# Altium PCB Bran_Main_Assay_PCB_v2.PcbDoc (part 4 of 15) (continued)
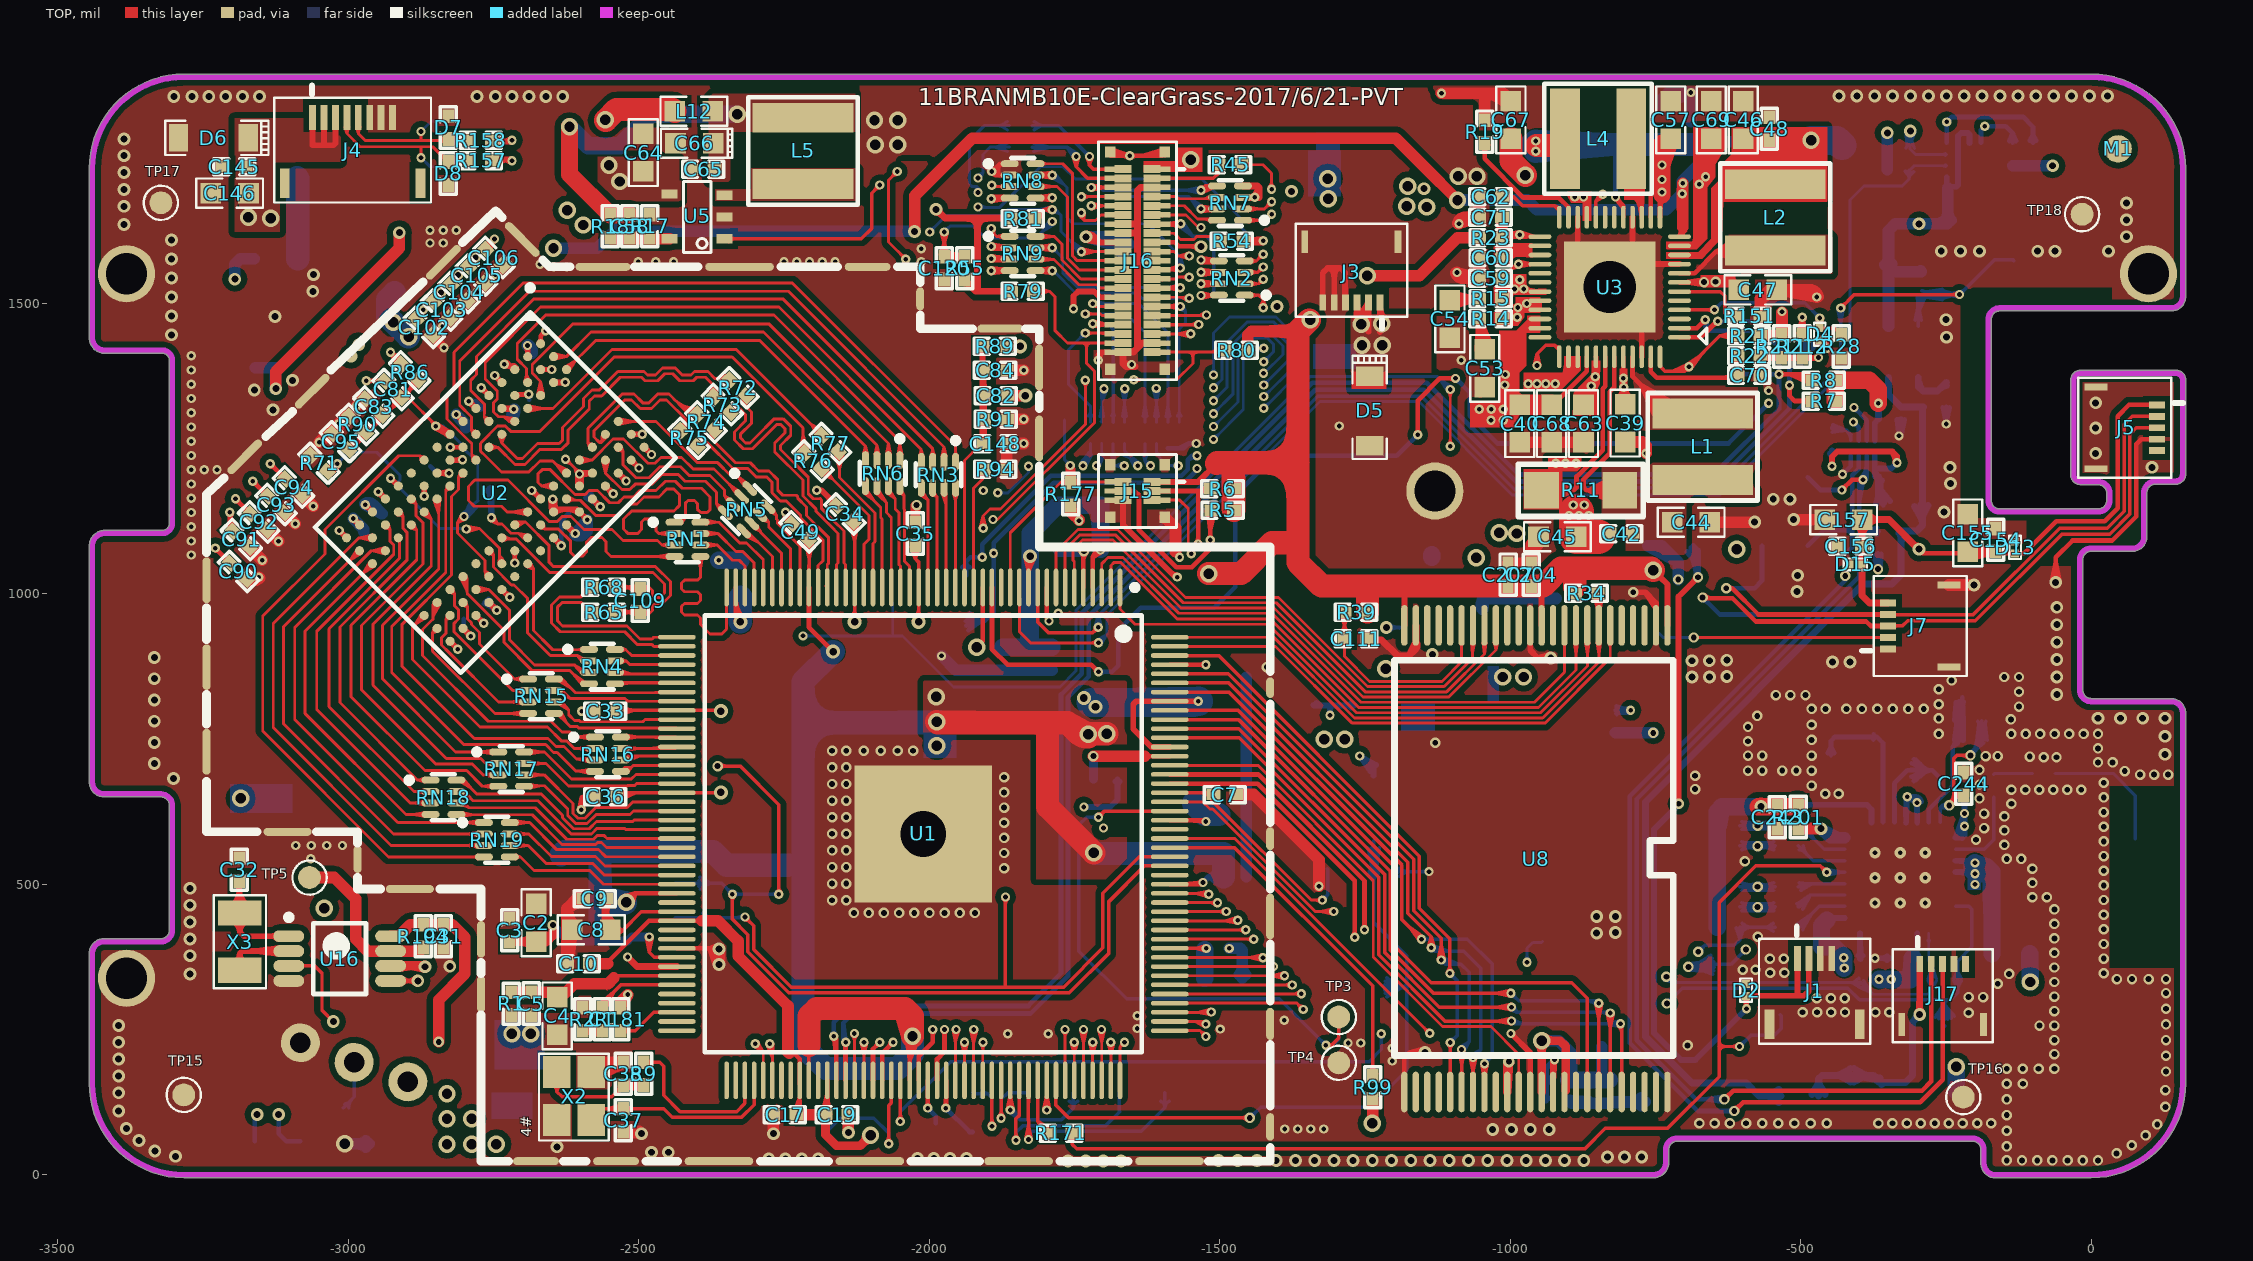
[diagram p0: TOP view]
## Nets (pads, with @x,y where several pads share a name; then routed paths per layer and width w, separated by ;. In a path a pad name is that pad's centre, name@x,y a point inside that pad or via, vN(x,y) a via of type N, cw(c..) or ccw(c..) an arc to the next point about the centre after c; other vN are vias at no path point) (continued)
; C103.1@-2854.74,1504.23 v2@-2837.3,1515.02 ; C103.1@-2854.74,1504.23 v2(-2840.43,1518.92) ; C103.1@-2854.74,1504.23 v2@-2844.41,1521.95 ; C103.1@-2854.74,1504.23 v2@-2837.3,1515.02 ; C103.1@-2854.74,1504.23 v2(-2840.43,1518.92) ; C103.1@-2854.74,1504.23 v2@-2844.41,1521.95 ; C103.1@-2854.74,1504.23 v2@-2837.3,1515.02 ; C103.1@-2854.74,1504.23 v2(-2840.43,1518.92) ; C103.1@-2854.74,1504.23 v2@-2844.41,1521.95 ; C103.1@-2854.74,1504.23 v2@-2837.3,1515.02 ; C103.1@-2854.74,1504.23 v2(-2840.43,1518.92) ; C103.1@-2854.74,1504.23 v2@-2847.08,1515.17 ; C103.1@-2854.74,1504.23 v2@-2845.86,1515.83 ; C103.1@-2854.74,1504.23 -2848.31,1511.75 ; C103.1@-2854.74,1504.23 -2846.78,1511.91 ; C103.1@-2853.35,1502.84 v2(-2840.43,1518.92) ; C103.1@-2853.35,1502.84 -2844.68,1521.56 C103.1@-2853.35,1502.84 ; C103.1@-2853.35,1502.84 -2836.94,1515.34 C103.1@-2853.35,1502.84 ; C103.1@-2853.35,1502.84 v2(-2840.43,1518.92) ; C103.1@-2853.35,1502.84 v2@-2843.74,1512.46 ; C103.1@-2853.35,1502.84 v2@-2843.59,1513.53 ; C103.1@-2851.4,1510.49 v2(-2840.43,1518.92) ; C103.1@-2850.02,1500.79 v2(-2840.43,1518.92) ; C103.1@-2850.02,1500.79 v2@-2836.33,1516.06 ; C103.1@-2850.02,1500.79 v2(-2840.43,1518.92) ; C103.1@-2849.72,1501.25 v2(-2840.43,1518.92) ; C103.1@-2849.72,1501.25 v2@-2845.11,1520.68 ; C103.1@-2849.72,1501.25 v2@-2836.33,1516.06 ; C103.1@-2849.72,1501.25 -2846.78,1511.91 ; C103.1@-2849.48,1501.68 v2(-2840.43,1518.92) ; C103.1@-2849.48,1501.68 v2@-2845.12,1520.66 ; C103.1@-2849.48,1501.68 v2@-2836.34,1516.05 ; C103.1@-2849.48,1501.68 v2@-2845.86,1515.83 ; C103.1@-2849.38,1501.92 v2(-2840.43,1518.92) ; C103.1@-2849.38,1501.92 v2@-2845.12,1520.65 ; C103.1@-2849.38,1501.92 -2836.34,1516.04 C103.1@-2849.34,1502.01 ; C103.1@-2849.38,1501.92 -2848.31,1511.75 ; C103.1@-2849.34,1502.01 v2(-2840.43,1518.92) ; C103.1@-2849.34,1502.01 v2@-2845.12,1520.65 ; C103.1@-2849.34,1502.01 v2@-2847.08,1515.17 ; C103.1@-2848.42,1499.7 v2(-2840.43,1518.92) ; C103.1@-2848.42,1499.7 -2845.24,1520.27 C103.1@-2848.33,1499.85 ; C103.1@-2848.42,1499.7 -2836.08,1516.46 C103.1@-2848.33,1499.85 ; C103.1@-2848.42,1499.7 v2@-2843.74,1512.46 ; C103.1@-2848.33,1499.85 v2(-2840.43,1518.92) ; C103.1@-2848.33,1499.85 v2@-2843.59,1513.53 ; C103.1@-2848.35,1508.19 v2(-2840.43,1518.92) ; U2.K2@-2847.28,1207.96 v1(-2826.9,1207.96) ; U2.K2@-2847.28,1207.96 v1(-2826.9,1207.96) ; U2.K2@-2847.28,1207.96 v1(-2826.9,1207.96) ; U2.K2@-2847.28,1207.96 v1(-2826.9,1207.96) ; U2.K2@-2847.28,1207.96 v1(-2826.9,1207.96) ; U2.K2@-2847.28,1207.96 v1(-2826.9,1207.96) ; U2.K2@-2847.28,1207.96 v1(-2826.9,1207.96) ; U2.K2@-2847.28,1207.96 -2836.14,1207.95 ; U2.K2@-2847.28,1207.96 -2829.73,1205.13 ccw(c-2836.56,1198.3) -2836.56,1207.96 ccw(c-2836.56,1217.62) -2829.73,1210.79 U2.K2@-2847.28,1207.96 ; U2.K2@-2847.28,1207.96 -2836.14,1207.95 ; U2.K2@-2847.28,1207.96 -2836.14,1207.97 ; U2.K2@-2847.28,1207.96 -2836.14,1207.97 ; U2.K2@-2847.28,1207.96 v1(-2826.9,1207.96) ; -2836.14,1207.95 v1(-2826.9,1207.96) ; -2836.14,1207.95 v1(-2826.9,1207.96) ; -2836.14,1207.97 v1(-2826.9,1207.96) ; -2836.14,1207.97 v1(-2826.9,1207.96) ; U2.R9@-2802.74,940.71 v1(-2789.49,927.46) ; U2.R9@-2802.74,940.71 v1(-2789.49,927.46) ; U2.R9@-2802.74,940.71 v1(-2789.49,927.46) ; U2.R9@-2802.74,940.71 v1(-2789.49,927.46) ; U2.R9@-2802.74,940.71 v1(-2789.49,927.46) ; U2.R9@-2802.74,940.71 v1(-2789.49,927.46) ; C105.1@-2796.97,1567.43 v2(-2781.43,1578.92) ; C105.1@-2796.97,1567.43 -2784.9,1582.52 C105.1@-2796.65,1567.66 ; C105.1@-2796.97,1567.43 -2779,1574.55 C105.1@-2796.65,1567.66 ; C105.1@-2796.97,1567.43 v2@-2784.55,1573.51 ; C105.1@-2796.65,1567.66 v2(-2781.43,1578.92) ; C105.1@-2796.65,1567.66 v2@-2784.24,1572.63 ; C105.1@-2795.02,1565.33 v2(-2781.43,1578.92) ; C105.1@-2795.02,1565.33 v2(-2781.43,1578.92) ; C105.1@-2794.74,1564.23 v2(-2781.43,1578.92) ; C105.1@-2794.74,1564.23 v2@-2785.53,1581.79 ; C105.1@-2794.74,1564.23 v2@-2778.18,1575.12 ; C105.1@-2794.74,1564.23 v2(-2781.43,1578.92) ; C105.1@-2794.74,1564.23 v2@-2785.53,1581.79 ; C105.1@-2794.74,1564.23 v2@-2778.18,1575.12 ; C105.1@-2794.74,1564.23 v2(-2781.43,1578.92) ; C105.1@-2794.74,1564.23 v2@-2785.53,1581.79 ; C105.1@-2794.74,1564.23 v2@-2778.18,1575.12 ; C105.1@-2794.74,1564.23 v2(-2781.43,1578.92) ; C105.1@-2794.74,1564.23 v2@-2785.53,1581.79 ; C105.1@-2794.74,1564.23 v2@-2778.18,1575.12 ; C105.1@-2794.74,1564.23 v2@-2788.05,1574.78 ; C105.1@-2794.74,1564.23 v2@-2786.84,1575.8 ; C105.1@-2794.74,1564.23 v2@-2786.56,1572.95 ; C105.1@-2794.74,1564.23 v2(-2781.43,1578.92) ; C105.1@-2793.35,1562.84 v2(-2781.43,1578.92) ; C105.1@-2793.35,1562.84 -2785.79,1581.37 C105.1@-2793.35,1562.84 ; C105.1@-2793.35,1562.84 -2777.81,1575.47 C105.1@-2793.35,1562.84 ; C105.1@-2793.35,1562.84 v2(-2781.43,1578.92) ; C105.1@-2793.35,1562.84 v2@-2784.24,1572.63 ; C105.1@-2793.35,1562.84 v2@-2784.55,1573.51 ; v1(-2793.03,1331.87) U2.F1@-2780.46,1319.31 ; v1(-2793.03,1331.87) U2.F1@-2780.46,1319.31 ; v1(-2793.03,1331.87) U2.F1@-2780.46,1319.31 ; v1(-2793.03,1331.87) U2.F1@-2780.46,1319.31 ; C105.1@-2791.95,1570.44 v2(-2781.43,1578.92) ; C105.1@-2789.88,1560.99 v2(-2781.43,1578.92) ; C105.1@-2789.88,1560.99 -2786.18,1580.47 C105.1@-2789.63,1561.4 ; C105.1@-2789.88,1560.99 -2777.21,1576.24 C105.1@-2789.63,1561.4 ; C105.1@-2789.88,1560.99 v2(-2781.43,1578.92) ; C105.1@-2789.63,1561.4 v2(-2781.43,1578.92) ; C105.1@-2789.63,1561.4 v2@-2786.56,1572.95 ; C105.1@-2789.33,1562.02 v2(-2781.43,1578.92) ; C105.1@-2789.33,1562.02 -2786.2,1580.41 C105.1@-2789.21,1562.35 ; C105.1@-2789.33,1562.02 -2777.22,1576.22 C105.1@-2789.21,1562.35 ; C105.1@-2789.33,1562.02 v2@-2786.84,1575.8 ; C105.1@-2789.21,1562.35 v2(-2781.43,1578.92) ; C105.1@-2789.21,1562.35 v2@-2788.05,1574.78 ; C105.1@-2788.3,1559.89 v2(-2781.43,1578.92) ; C105.1@-2788.3,1559.89 -2786.3,1580.03 C105.1@-2788.16,1560.16 ; C105.1@-2788.3,1559.89 -2776.97,1576.65 C105.1@-2788.16,1560.16 ; C105.1@-2788.3,1559.89 v2@-2784.24,1572.63 ; C105.1@-2788.3,1568.74 v2(-2781.43,1578.92) ; C105.1@-2788.16,1560.16 v2(-2781.43,1578.92) ; C105.1@-2788.16,1560.16 v2@-2784.55,1573.51 ; C106.1@-2764.74,1594.23 v1(-2748.43,1610.92) ; C106.1@-2764.74,1594.23 v1@-2754.17,1607.49 ; C106.1@-2764.74,1594.23 -2758.32,1601.75 ; C106.1@-2764.74,1594.23 -2756.78,1601.92 ; C106.1@-2763.35,1592.84 v1(-2748.43,1610.92) ; C106.1@-2763.35,1592.84 v1(-2748.43,1610.92) ; C106.1@-2763.35,1592.84 v1(-2748.43,1610.92) ; C106.1@-2763.35,1592.84 v1@-2751.52,1605.38 ; U2.N9@-2758.2,985.25 v1(-2744.75,971.8) ; U2.N9@-2758.2,985.25 v1(-2744.75,971.8) ; U2.N9@-2758.2,985.25 v1(-2744.75,971.8) ; U2.N9@-2758.2,985.25 v1(-2744.75,971.8) ; v1@-2754.17,1607.49 -2759.61,1591.43 v1(-2748.43,1610.92) ; v1@-2754.17,1607.49 -2768.61,1598.61 v1(-2748.43,1610.92) ; v1@-2751.52,1605.38 -2758.48,1589.61 v1(-2748.43,1610.92) ; v1@-2751.52,1605.38 -2766.86,1597.51 v1(-2748.43,1610.92) ; v1(-2748.43,1610.92) -2765.01,1594.52 v1(-2748.43,1610.92) ; v1(-2748.43,1610.92) -2758.41,1589.71 v1(-2748.43,1610.92) ; v1(-2748.43,1610.92) -2767.36,1597.09 v1(-2748.43,1610.92) ; v1(-2731.92,1395.15) -2722.15,1391.03 U2.C1@-2713.65,1386.12 ; v1(-2731.92,1395.15) U2.C1@-2713.65,1386.12 ; v1(-2731.92,1395.15) -2721.45,1393.92 ; v1(-2731.92,1395.15) U2.C1@-2713.65,1386.12 ; v1(-2731.92,1395.15) U2.C1@-2713.65,1386.12 ; v1(-2731.92,1395.15) -2721.45,1393.92 ; v1(-2731.92,1395.15) U2.C1@-2713.65,1386.12 ; v1(-2731.92,1395.15) -2721.45,1393.92 ; v1(-2731.92,1395.15) U2.C1@-2713.65,1386.12 ; v1(-2731.92,1395.15) -2721.45,1393.92 ; v1(-2731.92,1395.15) v1@-2728.2,1393.92 ; v1(-2731.92,1395.15) -2729.43,1395.15 v1@-2728.2,1393.92 ; v1@-2728.2,1393.92 U2.C1@-2713.65,1386.12 ; v1@-2728.2,1393.92 -2721.45,1393.92 ; -2721.45,1393.92 U2.C1@-2713.65,1386.12 ; -2721.45,1393.92 U2.C1@-2713.65,1386.12 ; -2721.45,1393.92 U2.C1@-2713.65,1386.12 ; U2.D2@-2713.66,1341.58 v1(-2689.39,1343.58) ; U2.D2@-2713.66,1341.58 v1(-2689.39,1343.58) ; U2.D2@-2713.66,1341.58 U2.D2@-2711.66,1343.58 ; U2.D2@-2711.66,1343.58 v1(-2689.39,1343.58) ; U2.D2@-2711.66,1343.58 v1(-2689.39,1343.58) ; v1(-2684.43,1177.92) U2.G7@-2669.12,1163.41 ; v1(-2684.43,1177.92) U2.G7@-2669.12,1163.41 ; v1(-2684.43,1177.92) -2669.92,1163.41 U2.G7@-2669.12,1163.41 ; U2.B2@-2669.12,1386.12 v1(-2649.92,1386.3) ; U2.B2@-2669.12,1386.12 v1(-2649.92,1386.3) ; U2.B2@-2669.12,1386.12 v1(-2649.92,1386.3) ; U2.B2@-2669.12,1386.12 v1(-2649.92,1386.3) ; -2669.11,1444.24 v1(-2660.43,1452.92) -2669.11,1444.24 ; U2.H9@-2646.84,1096.61 v1(-2633.4,1083.16) ; U2.H9@-2646.84,1096.61 v1(-2633.4,1083.16) ; U2.H9@-2646.84,1096.61 v1(-2633.4,1083.16) ; U2.H9@-2646.84,1096.61 v1(-2633.4,1083.16) ; U2.H9@-2646.84,1096.61 v1(-2633.4,1083.16) ; U2.H9@-2646.84,1096.61 v1(-2633.4,1083.16) ; U2.E9@-2580.03,1163.42 v1(-2566.75,1150.14) ; U2.E9@-2580.03,1163.42 v1(-2566.75,1150.14) ; U2.E9@-2580.03,1163.42 v1(-2566.75,1150.14) ; U2.E9@-2580.03,1163.42 v1(-2566.75,1150.14) ; U2.E9@-2580.03,1163.42 v1(-2566.75,1150.14) ; U2.E9@-2580.03,1163.42 v1(-2566.75,1150.14) ; U2.D9@-2557.76,1185.69 v1(-2544.32,1172.24) ; U2.D9@-2557.76,1185.69 v1(-2544.32,1172.24) ; U2.D9@-2557.76,1185.69 v1(-2544.32,1172.24) ; U2.D9@-2557.76,1185.69 v1(-2544.32,1172.24) ; U2.D9@-2557.76,1185.69 v1(-2544.32,1172.24) ; U2.D9@-2557.76,1185.69 v1(-2544.32,1172.24) ; U2.C9@-2535.49,1207.96 v1(-2522.04,1194.51) ; U2.C9@-2535.49,1207.96 v1(-2522.04,1194.51) ; U2.C9@-2535.49,1207.96 v1(-2522.04,1194.51) ; U2.C9@-2535.49,1207.96 v1(-2522.04,1194.51) ; U2.A8@-2513.21,1274.77 v1(-2494.01,1274.77) ; U2.A8@-2513.21,1274.77 v1(-2494.01,1274.77) ; U2.A8@-2513.21,1274.77 v1(-2494.01,1274.77) ; U2.A8@-2513.21,1274.77 v1(-2494.01,1274.77) ; v5@-2333.26,959.66 -2333.26,982.59 -2327.09,967.02 ; v5@-2333.26,959.66 v5(-2325.43,951.83) ; -2327.09,967.02 v5(-2325.43,951.83) ; R89.2@-1865.84,1426.27 v5(-1843.59,1426.18) ; R89.2@-1865.84,1426.27 v5@-1845,1434.06 ; R89.2@-1865.84,1426.27 v5@-1845.06,1418.32 ; R89.2@-1865.84,1426.27 v5(-1843.59,1426.18) ; R89.2@-1865.84,1426.27 v5@-1845,1434.06 ; R89.2@-1865.84,1426.27 v5@-1845.06,1418.32 ; R89.2@-1865.84,1426.27 v5(-1843.59,1426.18) ; R89.2@-1865.84,1426.27 v5@-1845,1434.06 ; R89.2@-1865.84,1426.27 v5@-1845.06,1418.32 ; R89.2@-1865.84,1426.27 v5(-1843.59,1426.18) ; R89.2@-1865.84,1426.27 v5@-1845,1434.06 ; R89.2@-1865.84,1426.27 v5@-1845.06,1418.32 ; R89.2@-1865.84,1426.27 v5(-1843.59,1426.18) ; R89.2@-1865.84,1426.27 v5@-1845,1434.06 ; R89.2@-1865.84,1426.27 v5@-1845.06,1418.32 ; R89.2@-1865.84,1426.27 v5@-1837.08,1426.27 ; R89.2@-1865.84,1426.27 v5@-1853.32,1423.64 ; R89.2@-1865.84,1426.27 v5@-1853.19,1428.82 ; R89.2@-1865.84,1426.27 v5@-1855.39,1426.75 ; R89.2@-1865.84,1426.27 v5@-1855.39,1425.79 ; R89.2@-1865.45,1426.27 -1843.59,1426.27 v5@-1837.08,1426.27 ; R89.2@-1865.45,1426.27 v5(-1843.59,1426.18) ; R89.2@-1858.79,1424.38 v5(-1843.59,1426.18) ; R89.2@-1858.79,1428.16 v5(-1843.59,1426.18) ; R89.2@-1858.05,1425.6 v5(-1843.59,1426.18) ; R89.2@-1857.77,1426.92 v5(-1843.59,1426.18) ; v1(-2824.85,1252.33) U2.H2@-2802.74,1252.5 v1(-2824.85,1252.33) ; v1(-2713.65,1053.14) U2.K8@-2713.65,1074.33 v1(-2713.65,1053.14)
  TOP w10: C104.1@-2824.74,1539.08 ccw(c-2824.74,1549.42) -2817.42,1542.11 ; C104.1@-2823.51,1538.59 ccw(c-2832.09,1553.44) v2@-2815.34,1549.78 ; C104.1@-2822.06,1539.43 v2(-2811.43,1548.92) ; C104.1@-2819.9,1534.23 cw(c-2806.86,1534.23) v2@-2816.08,1543.45 ; C104.1@-2819.45,1537.61 v2(-2811.43,1548.92) ; C104.1@-2818.94,1538.5 cw(c-2806.75,1531.47) v2@-2810.39,1545.06 ; C104.1@-2818.88,1541.27 ccw(c-2822.43,1547.42) v2@-2815.39,1548.38 ; C104.1@-2818.84,1540.69 ccw(c-2827.06,1548.92) v2@-2815.43,1548.92 ; v2@-2817.24,1544.87 C104.1@-2824.74,1534.23 ; v2@-2816.28,1543.87 C104.1@-2824.74,1534.23 ; v2@-2815.82,1545.91 C104.1@-2824.74,1534.23 ; v2@-2813.79,1543.65 C104.1@-2823.35,1532.84 v2(-2811.43,1548.92) ; v2@-2812.04,1548.31 v2@-2812.04,1547.49 ; C104.1@-2824.74,1534.23 v2(-2811.43,1548.92) ; C104.1@-2824.74,1534.23 v2(-2811.43,1548.92) ; C104.1@-2824.74,1534.23 v2(-2811.43,1548.92) ; C104.1@-2824.74,1534.23 v2(-2811.43,1548.92) ; C104.1@-2824.74,1534.23 v2@-2812.04,1547.49 ; v2@-2812.04,1547.49 -2825.02,1534.51 v2(-2811.43,1548.92)
  TOP w20: C82.1@-1864,1341.38 v5(-1834.89,1341.38) C82.1@-1864,1341.38
  BOTTOM w8: C89.1@-2858.84,1219.51 -2847.29,1207.96 ; v1@-2829.73,1205.13 ccw(c-2836.56,1198.3) -2836.56,1207.96 ccw(c-2836.56,1217.62) v1@-2829.73,1210.79 ; C98.1@-2801.52,956.83 -2801.52,955.16 -2801.52,943.75 C98.1@-2803.65,941.62 ; v1@-2793.49,927.46 ccw(c-2803.15,927.46) -2796.32,934.29 ccw(c-2789.49,941.12) v1@-2789.49,931.46 ; v1@-2790.2,1329.04 cw(c-2783.37,1322.21) -2783.37,1331.87 cw(c-2783.37,1341.53) v1@-2790.2,1334.7 ; -2777.4,1328.15 cw(c-2788.33,1317.23) C99.1@-2772.88,1317.23 ; -2776.06,1326.81 ccw(c-2767.03,1335.83) C99.1@-2767.03,1323.07 ; C97.1@-2764.9,986.14 -2763.22,986.14 C97.1@-2761.65,986.14 ; C97.1@-2761.83,983.36 cw(c-2761.83,970.01) -2752.39,979.45 ; C97.1@-2761.65,986.14 C97.1@-2759.09,986.14 ; C97.1@-2758.38,982.9 v1(-2744.75,971.8) ; C97.1@-2757.56,982.43 cw(c-2767.17,965.79) v1@-2748.61,970.77 ; C97.1@-2755.99,989.2 ccw(c-2741.13,989.2) -2751.64,978.69 ; C97.1@-2755.48,985.35 v1(-2744.75,971.8) ; C97.1@-2754.8,984.18 ccw(c-2738.99,993.31) v1@-2743.71,975.67 ; -2753.58,979.38 v1(-2744.75,971.8) ; -2751.9,980.39 v1(-2744.75,971.8) ; v1@-2748.75,971.8 ccw(c-2758.41,971.8) -2751.58,978.63 ccw(c-2744.75,985.46) v1@-2744.75,975.8 ; v1@-2731.14,1391.23 cw(c-2727.67,1373.68) C100.1@-2715.02,1386.33 ; v1@-2728.74,1392.73 cw(c-2723.84,1389) -2723.84,1395.15 ; v1@-2728.74,1397.58 ccw(c-2723.84,1401.31) -2723.84,1395.15 ; C100.1@-2721.9,1390.61 v1(-2731.92,1395.15) ; C101.1@-2691.78,1340.38 cw(c-2696.19,1334.49) C101.1@-2688.84,1334.49 ; C101.1@-2688.84,1335.26 cw(c-2681.07,1335.26) C101.1@-2686.56,1340.75 ; v1@-2636.23,1085.99 ccw(c-2643.06,1092.82) -2633.4,1092.82 ccw(c-2623.74,1092.82) v1@-2630.57,1085.99 ; v1(-2633.4,1083.16) -2633.4,1126.13 C88.1@-2620.03,1139.5 ; C85.1@-2590.02,1168.33 -2588.35,1168.33 -2587.93,1168.33 -2587.3,1168.96 C85.1@-2586.43,1169.83 ; C85.1@-2586.95,1165.55 cw(c-2586.95,1153.96) -2578.76,1162.15 ; C85.1@-2581.11,1171.39 ccw(c-2564.49,1171.39) -2576.24,1159.64 ; v1@-2570.75,1150.14 ccw(c-2580.41,1150.14) -2573.58,1156.97 ccw(c-2566.75,1163.8) v1@-2566.75,1154.14 ; -2847.29,1207.96 v1(-2826.9,1207.96) -2847.29,1207.96 ; C98.1@-2803.65,941.62 v1(-2789.49,927.46) C98.1@-2803.65,941.62 ; v1(-2793.03,1331.87) -2781.12,1331.87 ; v1(-2793.03,1331.87) -2766.76,1317.51 -2781.12,1331.87 ; v1(-2793.03,1331.87) -2781.12,1331.87 ; C97.1@-2759.09,986.14 v1(-2744.75,971.8) ; C97.1@-2759.09,986.14 v1(-2744.75,971.8) ; v1(-2744.75,971.8) C97.1@-2763.22,987.81 v1(-2744.75,971.8) ; v1(-2744.75,971.8) -2766.5,982.97 v1(-2744.75,971.8) ; v1(-2744.75,971.8) -2758.9,991.73 v1(-2744.75,971.8) ; v1(-2731.92,1395.15) -2723.84,1395.15 ; v1(-2731.92,1395.15) C100.1@-2715.02,1386.33 ; v1(-2731.92,1395.15) -2723.84,1395.15 ; -2723.84,1395.15 C100.1@-2715.02,1386.33 ; C101.1@-2688.84,1334.51 v1(-2689.39,1343.58) -2688.84,1343.03 C101.1@-2688.84,1334.51 ; C85.1@-2586.43,1169.83 v1(-2566.75,1150.14) ; C85.1@-2586.43,1169.83 v1(-2566.75,1150.14) ; v1(-2566.75,1150.14) -2591.85,1165.32 v1(-2566.75,1150.14) ; v1(-2566.75,1150.14) C85.1@-2588.35,1170 v1(-2566.75,1150.14) ; v1(-2566.75,1150.14) -2583.98,1173.88 v1(-2566.75,1150.14)
  BOTTOM w20: v1(-2991.65,1129.83) -2973.4,1111.58 -2973.4,1108.66 C87.1@-2973.4,1106.99
  BOTTOM w40: L13.1@-2920.45,1518.24 -2932.45,1506.24 -2932.45,1477.74 -2922.66,1467.95 -2897.03,1442.32 v4(-2896.45,1442.32) ; v5(-2325.43,951.83) -2325.43,993.54 C142.2@-2324.65,994.33
  other v4: -3185.46,648 -2923.1,1467.5
  other v5: -2359.02,658.31
DSCK: C109.2 R65.1 U2.J7 | length 977.8
  TOP w5: U2.J7@-2714.34,1124.2 -2695.43,1123.92 ; U2.J7@-2713.82,1124.24 -2703.2,1121.87 ; U2.J7@-2713.34,1118.68 cw(c-2704.17,1113.29) -2704.17,1123.92 ; U2.J7@-2711.5,1113.95 -2695.43,1123.92 ; U2.J7@-2710.94,1114.23 -2703.2,1121.87 ; U2.J7@-2709.03,1116.15 cw(c-2695.43,1108.15) -2695.43,1123.92 ; R65.1@-2539.16,968.65 -2514.32,968.65 ; R65.1@-2538.77,968.64 -2499.87,968.65 -2499,967.78 -2497.82,966.6 -2481.76,966.6 ; R65.1@-2538.08,961.39 -2514.32,968.65 ; R65.1@-2538.08,975.91 -2514.32,968.65 ; -2516.29,968.65 ccw(c-2516.29,987.41) C109.2@-2503.02,974.15 ; -2514.82,968.65 cw(c-2514.82,951.96) C109.2@-2503.02,963.76 ; C109.2@-2500.43,975.82 -2510.5,968.08 ; C109.2@-2499.98,961.94 -2511.43,969.29 ; C109.2@-2499.64,976.07 -2511.43,969.29 ; C109.2@-2499.46,961.8 -2510.5,968.08 ; C109.2@-2499,976.2 -2522.67,968.65 ; C109.2@-2498.82,961.68 -2522.67,968.65 ; C109.2@-2496.32,959.8 -2481.76,966.6 ; C109.2@-2496.16,959.84 -2486.01,965.97 ; C109.2@-2495.98,974.09 -2481.76,966.6 ; C109.2@-2495.76,974.03 -2486.58,967.51 ; C109.2@-2495.11,960.17 -2486.58,967.51 ; C109.2@-2494.97,973.75 -2486.01,965.97 ; C109.2@-2492.47,961.96 cw(c-2481.76,951.91) -2481.76,966.6 ; C109.2@-2492.09,971.57 ccw(c-2481.76,979.83) -2481.76,966.6 ; U2.J7@-2713.66,1118.87 -2703.2,1121.87 ; U2.J7@-2713.66,1118.87 -2695.43,1123.92 ; U2.J7@-2713.66,1118.87 -2708.61,1123.92 -2695.43,1123.92 ; -2695.43,1123.92 -2654.43,1082.92 -2654.43,1054.43 -2646.92,1046.92 -2471.43,1046.92 -2445.85,1021.34 -2445.85,997.45 -2459.65,983.65 -2471.76,983.65 -2476.76,978.65 -2476.76,971.6 -2481.76,966.6 ; -2522.67,968.65 C109.2@-2497.83,968.96 ; -2511.43,969.29 C109.2@-2497.83,968.96 ; -2510.5,968.08 C109.2@-2497.83,968.96 ; C109.2@-2497.83,966.99 -2486.58,967.51 ; C109.2@-2497.83,966.99 -2486.01,965.97 ; C109.2@-2497.83,966.99 -2481.76,966.6
DSCK-N: C109.1 R68.1 U2.K7 | length 991.7
  TOP w5: U2.K7@-2735.39,1091.26 -2723.06,1095.18 ; U2.K7@-2734.23,1101.71 -2723.06,1095.18 ; U2.K7@-2732.12,1092.81 cw(c-2728.06,1088.75) -2728.06,1094.49 ; U2.K7@-2732.12,1100.41 ccw(c-2717.82,1114.71) -2717.82,1094.49 ; R68.1@-2538.78,1011.65 -2498.77,1011.65 -2497.82,1010.7 -2481.76,1010.7 ; R68.1@-2538.09,1004.4 -2514.33,1011.65 ; R68.1@-2538.09,1018.92 -2514.33,1011.65 ; R68.1@-2537.45,1004.52 -2526.05,1011.05 ; R68.1@-2537.45,1018.8 -2526.02,1012.26 ; R68.1@-2536.81,1004.71 -2526.02,1012.26 ; R68.1@-2536.8,1018.61 -2526.05,1011.05 ; R68.1@-2533.98,1006.47 cw(c-2521.47,993.96) -2521.47,1011.65 cw(c-2521.42,1029.41) R68.1@-2533.98,1016.85 ; -2518.83,1011.65 cw(c-2518.83,989.29) C109.1@-2503.02,1005.1 ; -2512.28,1011.65 ccw(c-2512.28,1024.75) C109.1@-2503.02,1015.49 ; C109.1@-2501.32,1003.83 -2508.89,1012.1 ; C109.1@-2499.88,1003.24 -2513.04,1010.89 ; C109.1@-2499.83,1001.26 -2523.02,1011.65 ; C109.1@-2499.32,1017.48 -2513.04,1010.89 ; C109.1@-2499.09,1017.53 -2508.89,1012.1 ; C109.1@-2497.93,1015.67 -2523.02,1011.65 ; C109.1@-2497.83,1008.33 -2523.02,1011.65 ; C109.1@-2496.33,1017.48 -2481.76,1010.7 ; C109.1@-2496.17,1017.45 -2485.99,1011.32 ; C109.1@-2495.97,1003.19 -2481.76,1010.7 ; C109.1@-2495.75,1003.25 -2486.59,1009.78 ; C109.1@-2495.12,1017.12 -2486.59,1009.78 ; C109.1@-2494.96,1003.53 -2485.99,1011.32 ; C109.1@-2492.49,1015.33 ccw(c-2481.76,1025.44) -2481.76,1010.7 ; C109.1@-2492.08,1005.72 cw(c-2481.76,997.51) -2481.76,1010.7 ; -2723.06,1095.18 U2.K7@-2735.92,1096.61 -2733.8,1094.49 -2711.15,1094.49 -2653.58,1036.92 -2475.58,1036.92 -2455.85,1017.19 -2455.85,1001.6 -2463.8,993.65 -2471.76,993.65 -2476.76,998.65 -2476.76,1005.7 -2481.76,1010.7 ; R68.1@-2539.17,1011.66 -2514.33,1011.65 ; R68.1@-2539.17,1011.66 -2526.02,1012.26 ; R68.1@-2539.17,1011.66 -2526.05,1011.05 ; -2513.04,1010.89 C109.1@-2497.83,1010.3 ; -2508.89,1012.1 C109.1@-2497.83,1010.3 ; C109.1@-2497.83,1010.3 -2485.99,1011.32 ; C109.1@-2497.83,1010.3 -2486.59,1009.78 ; C109.1@-2497.83,1010.3 -2481.76,1010.7
EXTEN: U3.20 U5.1 | length 2055.4
  TOP w6: U5.1@-2352.45,1611.34 -2117.13,1611.34 -2099.46,1629 -2099.46,1690 v1(-2085.46,1704) ; U5.1@-2345.4,1606.6 -2337.82,1610.94 ; U5.1@-2345.4,1616.08 -2337.82,1611.74 ; U5.1@-2344.97,1606.73 -2337.82,1611.74 ; U5.1@-2344.97,1615.95 -2337.82,1610.94 ; U5.1@-2343.1,1607.89 cw(c-2334.78,1599.57) -2334.78,1611.34 cw(c-2334.78,1623.11) U5.1@-2343.1,1614.79 ; v1@-2090.46,1704 cw(c-2102.54,1704) -2094,1695.46 cw(c-2085.46,1686.93) v1@-2085.46,1699 ; U3.20@-852.64,1648.39 -852.64,1676.3 ; U3.20@-852.64,1664.13 -852.64,1676.3 ; v1@-845.94,1687.99 cw(c-858.02,1687.99) -849.48,1679.46 cw(c-840.94,1670.92) v1@-840.94,1682.99 ; v1@-844.97,1690.95 -852.64,1676.3 ; v1@-837.98,1683.96 -852.64,1676.3 ; -2337.82,1610.94 -2346.54,1611.34 -2337.82,1611.74 ; -852.64,1676.3 v1(-840.94,1687.99) -852.64,1676.3
  Singal w6: v1(-2085.46,1704) -2074.99,1703.53 ; v1@-2084.49,1699.1 -2074.99,1703.53 ; v1@-2084.46,1703 -2038.46,1703 -1918.46,1823 -1277.46,1823 -1262.7,1808.24 -869.19,1808.24 -840.94,1779.99 v1(-840.94,1687.99) -840.53,1696.94 ; v1@-2084.06,1708.8 -2074.99,1703.53 ; v1@-2081.93,1700.46 cw(c-2075.81,1694.34) -2075.81,1703 ; v1@-2081.93,1707.54 ccw(c-2070.98,1718.49) -2070.98,1703 ; v1@-845.68,1689.61 -840.53,1696.94 ; v1@-844.48,1691.53 ccw(c-853.02,1700.06) -840.94,1700.06 ccw(c-828.87,1700.06) v1@-837.41,1691.53 ; v1@-836.08,1689.17 -840.53,1696.94
G_INT1: R130.2 U1.104 U10.12 | length 4625.5
  TOP w5: v1@-2118.11,227.68 -2112.79,205.31 ; v1@-2118,227.06 -2113.22,218.68 ; v1@-2117.88,226.63 -2112.32,218.25 ; v1@-2116.53,224.42 cw(c-2125.58,215.37) -2112.79,215.37 ; U1.104@-2112.79,162.71 v1@-2112.79,228.16 ; U1.104@-2112.79,191.26 -2112.79,210.19 ; -2112.79,214.68 cw(c-2099.02,214.68) v1@-2108.76,224.42 ; v1@-2107.48,226.42 -2113.22,218.68 ; v1@-2107.31,226.98 -2112.32,218.25 ; v1@-2107.19,227.62 -2112.79,205.31 ; v1@-2060.96,1727 cw(c-2074.24,1727) -2064.85,1717.61 cw(c-2055.46,1708.22) v1@-2055.46,1721.5 ; v1(-2055.46,1727) -2070.46,1712 -2070.46,1606 v1(-2040.46,1576) ; v1@-2045.96,1576 ccw(c-2059.24,1576) -2049.85,1585.39 ccw(c-2040.46,1594.78) v1@-2040.46,1581.5 ; -2113.22,218.68 v1(-2112.65,228.31) ; -2112.79,205.31 v1(-2112.65,228.31) ; v1(-2112.65,228.31) -2112.32,218.25
  Singal w5: v1@-2117.99,229.6 -2113.1,238.15 ; v1@-2117.85,230.08 -2112.19,238.15 ; v1@-2116.53,232.2 ccw(c-2125.92,241.59) -2112.65,241.59 ccw(c-2099.37,241.59) v1@-2108.76,232.2 ; v1@-2107.44,230.08 -2113.1,238.15 ; v1@-2107.3,229.6 -2112.19,238.15 ; v1@-2054.2,1721.65 -2043.46,1727 ; v1@-2054.2,1732.35 -2043.46,1727 ; v1@-2054.06,1721.68 -2046.87,1726.42 ; v1@-2054.06,1732.32 -2046.87,1727.58 ; v1@-2053.36,1721.92 -2046.87,1727.58 ; v1@-2053.36,1732.08 -2046.87,1726.42 ; v1@-2051.3,1723.41 cw(c-2043.47,1716.66) -2043.47,1727 ; v1@-2051.3,1730.59 ccw(c-2043.47,1737.34) -2043.47,1727 ; v1@-2044.35,1572.11 cw(c-2053.74,1562.72) -2040.46,1562.72 cw(c-2027.19,1562.72) v1@-2036.58,1572.11 ; v1(-2040.46,1576) -2040.46,1170.01 -2198.65,1011.83 -2198.65,347.94 -2112.65,261.94 v1(-2112.65,228.31) ; v3(-311.46,1797) -337.46,1823 -1248.46,1823 -1264.46,1839 -1931.46,1839 -2043.46,1727 ; -2113.1,238.15 v1(-2112.65,228.31) ; v1(-2112.65,228.31) -2112.19,238.15 ; v1(-2055.46,1727) -2046.87,1727.58 ; v1(-2055.46,1727) -2046.87,1726.42 ; v1(-2055.46,1727) -2043.46,1727
  BOTTOM w5: v3@-319.94,1797.65 R130.2@-317.69,1771.28 ; v3@-319.87,1795.71 R130.2@-311.76,1771 ; v3@-319.75,1795.09 -312.43,1782.25 ; v3@-319.58,1794.47 -311.03,1781.33 ; R130.2@-319.03,1766.91 -311.76,1790.67 R130.2@-304.5,1766.91 ; R130.2@-318.9,1767.55 -312.37,1778.97 ; R130.2@-318.71,1768.2 -311.16,1778.97 ; v3@-317.48,1790.99 cw(c-331.26,1777.2) -311.76,1777.2 ; R130.2@-316.96,1771.02 ccw(c-329.49,1783.55) -311.76,1783.55 ccw(c-294.04,1783.55) R130.2@-306.57,1771.02 ; v3@-314.93,1796.51 -311.03,1781.33 ; v3@-314.91,1797.6 R130.2@-317.69,1771.28 ; -311.76,1775.76 cw(c-290.22,1775.76) v3@-305.45,1790.99 ; v3@-311.76,1796.7 R130.2@-311.76,1765.83 ; v3@-308.12,1795.95 R130.2@-317.69,1771.28 ; v3@-308.02,1796.36 -312.43,1782.25 ; R130.2@-304.81,1768.2 -312.37,1778.97 ; R130.2@-304.63,1767.55 -311.16,1778.97 ; v3@-303.63,1793.7 R130.2@-317.69,1771.28 ; v3@-303.5,1794.03 -312.43,1782.25 ; v3@-303.22,1794.92 -311.03,1781.33 ; v3@-303.1,1795.51 R130.2@-311.76,1771 ; -269.39,1756.67 U10.12@-249.47,1756.67 ; U10.12@-251.18,1754.95 ccw(c-255.32,1750.82) -255.32,1756.67 ccw(c-255.32,1762.51) U10.12@-251.18,1758.38 ; U10.12@-248.98,1756.67 -302.6,1756.67 R130.2@-311.76,1765.83 ; R130.2@-317.69,1771.28 v3(-311.46,1797) ; -312.43,1782.25 v3(-311.46,1797) ; -312.43,1782.25 -314.96,1796.81 R130.2@-311.76,1771 ; -312.37,1778.97 R130.2@-311.76,1765.83 ; R130.2@-311.76,1765.83 -311.16,1778.97 ; R130.2@-311.76,1771 v3(-311.46,1797) ; R130.2@-311.76,1771 -307.98,1796.72 -311.03,1781.33 ; v3(-311.46,1797) -311.03,1781.33